# KiCad board beaglebone-ai.kicad_pcb (continued)
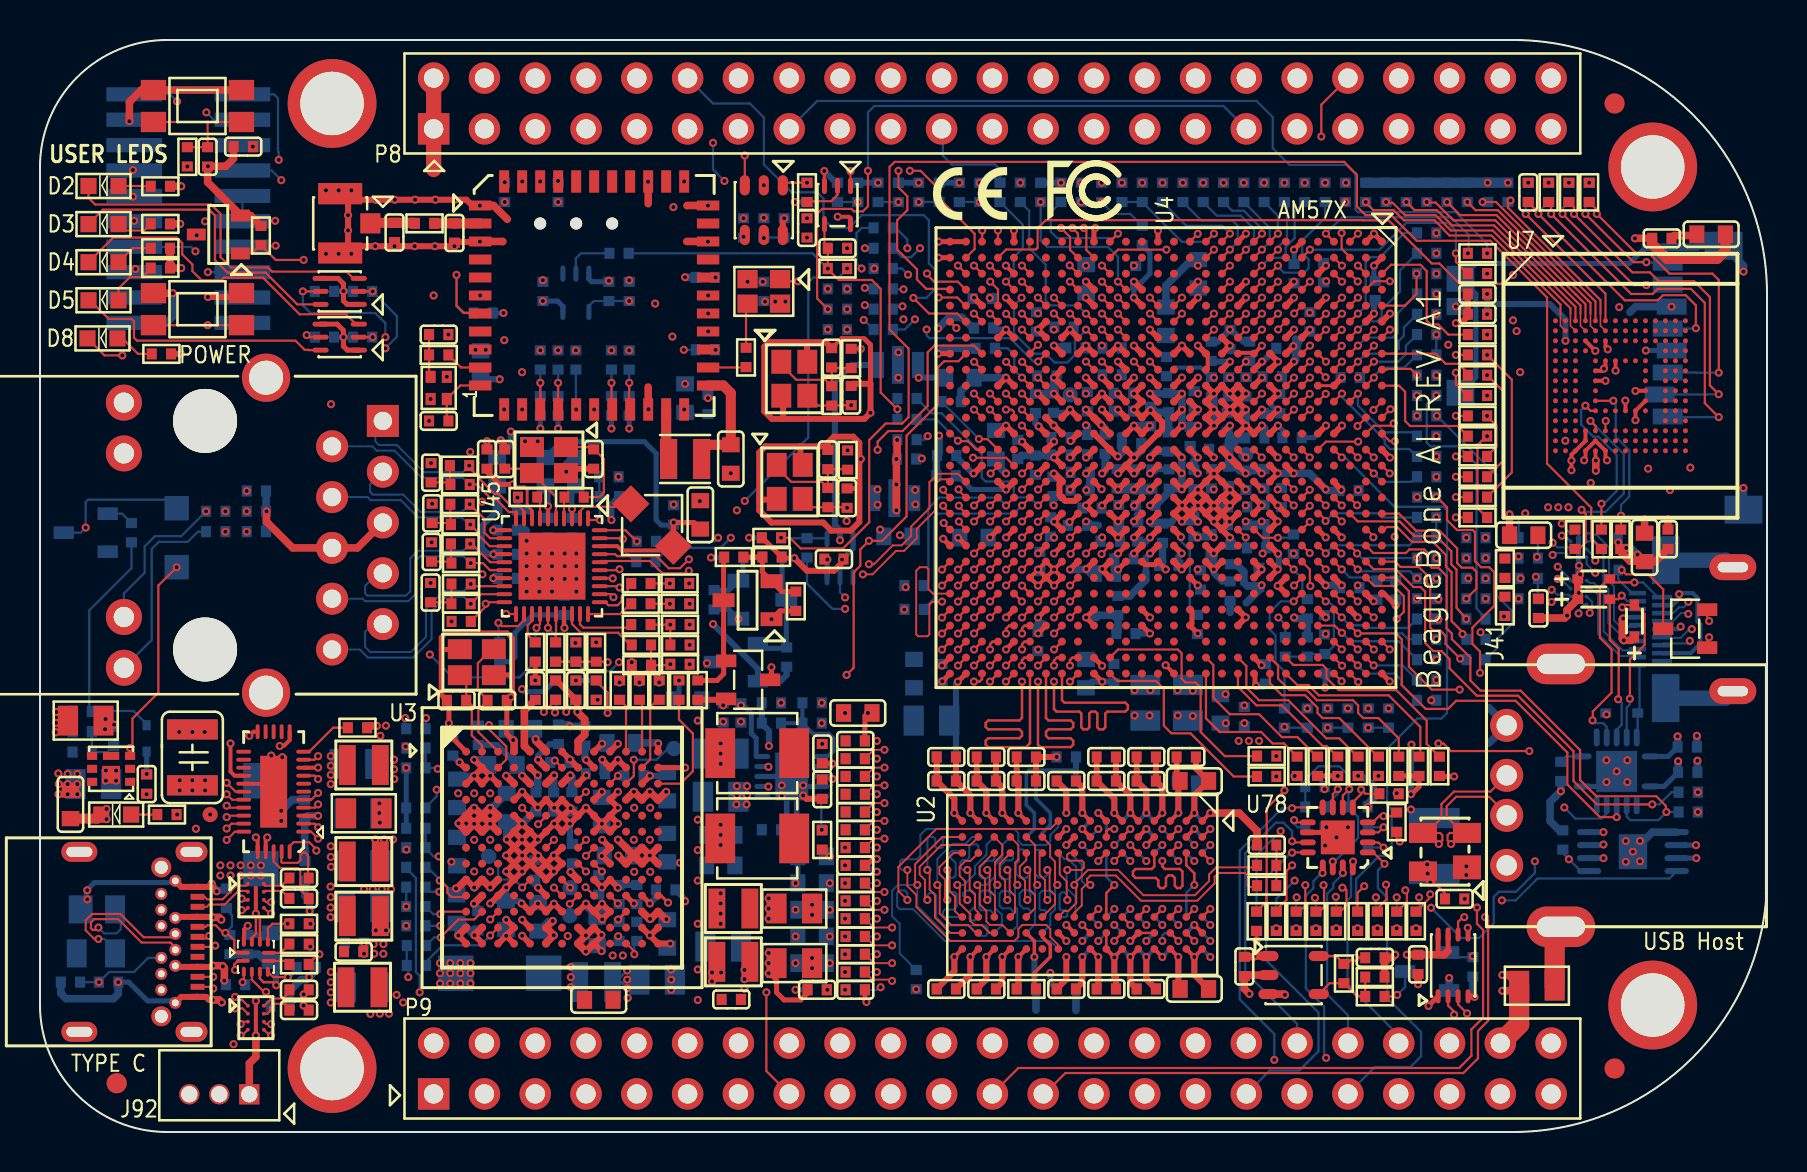
[diagram p0: board, top side]
## Routing (per net, layer and track width the routed paths; a pad name or vN(x,y) marks a point on that pad's centre or on a via; arc(x,y) is an arc through that point) (continued)
  BOTTOM w0.114: v1(29.69,18.62) 30.83,18.62 31.39,19.18 TP2.1
Net-(TP3-Pad1): length 1.2
  TOP w0.12: U3.K8 26.51,11.43 26.51,11.43 v1(26.49,11.41)
  BOTTOM w0.114: TP3.1 26.49,11.41 v1(26.49,11.41)
Net-(TP4-Pad1): length 0.6
  TOP w0.114: U4.Y11 v1(51.5,36.93)
Net-(TP7-Pad1): length 3.2
  TOP w0.12: U3.J5 v1(24.11,12.23)
  BOTTOM w0.114: v1(24.11,12.23) 23.72,12.62 22.99,12.62 22.91,12.7 22.91,13.32 22.45,13.78 TP7.1
Net-(TP8-Pad1): length 0.6
  TOP w0.114: U4.K14 v1(60.29,33.73)
Net-(TP10-Pad1): length 8.5
  TOP w0.114: U72.8 13.74,17.82 v1(13.91,17.65)
  SIG_L10 w0.102: v1(8.51,15.88) 8.51,16.48 8.76,16.74 8.76,17.96 9.02,18.21 9.8,18.21 10.36,17.65 v1(13.91,17.65)
Net-(TP11-Pad1): length 0.6
  TOP w0.12: v1(26.51,12.22) 26.51,12.22 U3.J7

## Copper pours and planes (outline as drawn; the poured copper is in the pictures)
1V8_PHY_HDMI on TOP: 50.55,33.1 50.9,33.1 51.26,32.74 51.26,31.95 51.36,31.85 51.97,31.85 52.1,31.72 52.1,31.55 51.89,31.34 51.05,31.34 50.5,31.9 50.5,33.05
1V8_PHY_HDMI on SIG_L10: 53.1,33.8 53.1,32.98 51.97,31.85 51.97,31.43 51.72,31.18 45.48,31.18 43.64,29.34 42.55,29.34 42.23,29.65 42.23,32.38 43.65,33.81 46.43,33.81 46.99,34.36 52.54,34.36
1V8_PHY_SATA on SIG_L5: 53.26,35.51 53.26,34.14 52.93,33.81 50.09,33.81 49.6,34.3 49.6,35.43 49.4,35.64 47.8,35.64 47.41,36.03 44.36,36.03 43.73,36.66 43.73,37.81 43.85,37.93 48.37,37.93 48.76,37.55 51.22,37.55
1V8_PLL on SIG_L5: 48.22,33.08 48.22,32.67 48.73,32.16 48.73,31.53 48.24,31.05 41.02,31.05 41.02,33.08
1V8_PLLA on TOP: 57.23,34.19 57.23,33.17 57.66,32.74 57.66,32.44 57.33,32.11 56.64,32.11 55.68,31.14 55.47,31.14 55.37,31.24 55.37,31.42 56.21,32.26 56.21,33.53 56.11,33.63 55.52,33.63 55.4,33.76 55.4,33.96 55.96,34.52 56.9,34.52
1V8_PLLA on BOTTOM: 55.37,33.65 55.37,33.88 55.8,34.32 56.82,34.32 57.3,33.83 57.3,32.03 57.15,31.88 56.77,31.88 55.93,31.04 55.42,31.04 55.35,31.12 55.35,31.47 55.52,31.65 55.91,31.65 56.13,31.88 56.13,32.44 56.24,32.54 56.67,32.54 56.82,32.69 56.82,33.5 56.77,33.55 55.47,33.55
1V8_PLLA on SIG_L5: 56.79,33.6 58.01,33.6 58.63,34.22 58.63,36.8 58.54,36.89 56.42,36.89 56.1,36.57 56.1,34.72 55.19,33.81 55.19,32.94 55.28,32.85 56.06,32.85 56.09,32.88 56.09,32.9
1V8_PLLA on PWR_L7: 59.07,33.77 59.07,31.99 57.72,30.65 54.29,30.65 54.06,30.87 52.54,30.87 52.31,30.65 43.85,30.65 43.47,31.03 43.47,32.32 43.65,32.5 43.62,32.52 50.79,32.52 50.99,32.73 54.19,32.73 55.21,31.71 55.94,31.71 56.65,32.42 56.65,33.87 56.76,33.97 58.86,33.97
3V3_SD on SIG_L5: 25.03,17.39 25.03,19.7 26.06,20.73 26.06,24.26 31.12,29.31 33.65,29.31 34.25,28.71 34.25,23.2 33.02,21.97 28.22,21.97 27.98,21.73 27.98,19.09 25.95,17.06 25.36,17.06
3V3_SD on PWR_L7: 77.75,47.6 77.75,44.4 75.9,42.54 54.33,42.54 52.78,41 52.78,39.22 52.68,39.12 52.04,39.12 51.82,39.34 51.82,41.33 51.21,41.94 41.96,41.94 34.32,34.29 34.32,29.21 33.63,28.52 32.77,28.52 32.36,28.93 32.36,35.15 41.14,43.93 71.39,43.93 72.24,44.78 72.24,47.57 72.85,48.18 77.17,48.18
3V3_USB on SIG_L10: 51.88,36.51 51.88,35.12 51.5,34.73 46.72,34.73 46.02,34.04 43.36,34.04 42.04,32.72 42.04,30.76 41.45,30.18 40.13,30.18 39.83,30.48 39.83,35.31 41.29,36.77 51.63,36.77
GNDPWR on TOP: 1.98,21.29 1.98,19.84 1.88,19.74 0.61,19.74 0.51,19.84 0.51,21.21 0.66,21.36 1.91,21.36
GNDPWR on GND_L2: 7.37,53.57 5.28,53.57 2.36,50.65 2.36,39.22 3.38,38.2 12.17,38.2 12.27,38.1 12.27,37.49 12.01,37.24 11.02,37.24 10.82,37.44 2.9,37.44 2.29,36.83 2.29,22.58 2.92,21.95 10.16,21.95 10.67,22.45 11.4,22.45 11.73,22.12 11.73,21.56 11.53,21.36 3.15,21.36 2.62,20.83 2.62,14.99 2.87,14.73 7.14,14.73 7.72,14.15 7.72,13.92 7.62,13.82 7.04,13.82 6.88,13.97 2.79,13.97 1.42,12.6 1.42,5.86 1.42,5.87 2.44,4.85 6.55,4.85 6.93,5.23 7.44,5.23 7.65,5.03 7.65,4.88 6.3,3.53 6.3,1.68 6.93,1.04 75.9,1.04 79.25,4.39 79.25,7.44 77.29,9.4 74.93,9.4 74.73,9.6 74.73,10.74 74.96,10.97 83.64,10.97 84.4,11.73 84.4,21.67 83.54,22.53 75.16,22.53 74.78,22.91 74.78,23.27 75.13,23.62 76.94,23.62 77.29,23.27 83.79,23.27 84.58,24.05 84.58,44.15 75.16,53.57 7.39,53.57 7.39,53.98 75.21,53.98 75.56,53.93 76.24,53.79 76.92,53.62 77.59,53.41 78.24,53.16 78.88,52.88 79.5,52.56 80.1,52.2 80.68,51.81 81.24,51.38 81.77,50.93 82.27,50.44 82.75,49.93 83.19,49.39 83.6,48.82 83.98,48.23 84.32,47.63 84.63,47 84.91,46.35 85.14,45.7 85.34,45.02 85.49,44.34 85.61,43.65 85.69,42.96 85.72,42.26 85.73,41.91 85.73,12.7 85.72,12.35 85.68,11.66 85.6,10.96 85.49,10.28 85.33,9.6 85.14,8.93 84.9,8.27 84.64,7.63 84.33,7 83.99,6.4 83.62,5.81 83.21,5.24 82.78,4.7 82.31,4.18 81.81,3.69 81.29,3.23 80.74,2.8 80.17,2.4 79.58,2.04 78.97,1.71 78.34,1.41 77.69,1.15 77.03,0.92 76.36,0.74 75.68,0.59 75.34,0.53 6.38,0.53 6.14,0.54 5.66,0.58 5.19,0.67 4.73,0.79 4.28,0.95 3.85,1.15 3.43,1.38 3.03,1.64 2.66,1.94 2.31,2.26 1.99,2.62 1.7,2.99 1.44,3.39 1.21,3.81 1.02,4.25 0.87,4.7 0.75,5.17 0.68,5.64 0.64,6.11 0.63,6.35 0.63,48.26 0.64,48.5 0.68,48.97 0.75,49.43 0.87,49.89 1.02,50.34 1.21,50.77 1.44,51.19 1.7,51.58 1.99,51.96 2.31,52.3 2.65,52.62 3.03,52.91 3.42,53.17 3.84,53.4 4.27,53.59 4.72,53.74 5.18,53.86 5.64,53.93 6.11,53.97 6.35,53.98 7.37,53.98
GNDPWR on GND_L11: 7.37,53.57 5.28,53.57 2.36,50.65 2.36,39.22 3.38,38.2 12.17,38.2 12.27,38.1 12.27,37.49 12.01,37.24 11.02,37.24 10.82,37.44 2.9,37.44 2.29,36.83 2.29,22.58 2.92,21.95 10.16,21.95 10.67,22.45 11.4,22.45 11.73,22.12 11.73,21.56 11.53,21.36 3.15,21.36 2.62,20.83 2.62,14.99 2.87,14.73 7.14,14.73 7.72,14.15 7.72,13.92 7.62,13.82 7.04,13.82 6.88,13.97 2.79,13.97 1.42,12.6 1.42,5.86 1.42,5.87 2.44,4.85 6.55,4.85 6.93,5.23 7.44,5.23 7.65,5.03 7.65,4.88 6.3,3.53 6.3,1.68 6.93,1.04 75.9,1.04 79.25,4.39 79.25,7.44 77.29,9.4 74.93,9.4 74.73,9.6 74.73,10.74 74.96,10.97 83.64,10.97 84.4,11.73 84.4,21.67 83.54,22.53 75.16,22.53 74.78,22.91 74.78,23.27 75.13,23.62 76.94,23.62 77.29,23.27 83.79,23.27 84.58,24.05 84.58,44.15 75.16,53.57 7.39,53.57 7.39,53.98 75.21,53.98 75.56,53.93 76.24,53.79 76.92,53.62 77.59,53.41 78.24,53.16 78.88,52.88 79.5,52.56 80.1,52.2 80.68,51.81 81.24,51.38 81.77,50.93 82.27,50.44 82.75,49.93 83.19,49.39 83.6,48.82 83.98,48.23 84.32,47.63 84.63,47 84.91,46.35 85.14,45.7 85.34,45.02 85.49,44.34 85.61,43.65 85.69,42.96 85.72,42.26 85.73,41.91 85.73,12.7 85.72,12.35 85.68,11.66 85.6,10.96 85.49,10.28 85.33,9.6 85.14,8.93 84.9,8.27 84.64,7.63 84.33,7 83.99,6.4 83.62,5.81 83.21,5.24 82.78,4.7 82.31,4.18 81.81,3.69 81.29,3.23 80.74,2.8 80.17,2.4 79.58,2.04 78.97,1.71 78.34,1.41 77.69,1.15 77.03,0.92 76.36,0.74 75.68,0.59 75.34,0.53 6.38,0.53 6.14,0.54 5.66,0.58 5.19,0.67 4.73,0.79 4.28,0.95 3.85,1.15 3.43,1.38 3.03,1.64 2.66,1.94 2.31,2.26 1.99,2.62 1.7,2.99 1.44,3.39 1.21,3.81 1.02,4.25 0.87,4.7 0.75,5.17 0.68,5.64 0.64,6.11 0.63,6.35 0.63,48.26 0.64,48.5 0.68,48.97 0.75,49.43 0.87,49.89 1.02,50.34 1.21,50.77 1.44,51.19 1.7,51.58 1.99,51.96 2.31,52.3 2.65,52.62 3.03,52.91 3.42,53.17 3.84,53.4 4.27,53.59 4.72,53.74 5.18,53.86 5.64,53.93 6.11,53.97 6.35,53.98 7.37,53.98
VDD_1V8 on TOP: 57.33,29.03 57.71,29.03 57.79,28.96 57.79,28.45 57.35,28.02 56.85,28.02 56.41,28.45 56.41,29.34 56.54,29.46 56.9,29.46
VDD_1V8 on TOP: 53.62,28.47 53.62,27.74 53.54,27.66 53.24,27.66 52.91,27.99 51.41,27.99 51.33,28.07 51.33,28.52 51.44,28.63 53.47,28.63
VDD_1V8 on TOP: 54.61,39.47 58.42,39.47 58.65,39.24 58.65,38.1 58.5,37.95 58.12,37.95 57.99,38.07 57.99,38.2 57.56,38.63 55.88,38.63 55.75,38.76 54.76,38.76 54.56,38.96 54.56,39.42
VDD_1V8 on BOTTOM: 50.19,31.06 50.72,31.06 51.26,31.6 52.35,31.6 52.48,31.47 52.48,31.04 52.32,30.89 51.26,30.89 51,30.63 51,30.45 50.88,30.33 50.24,30.33 50.11,30.45 50.11,30.99
VDD_1V8 on BOTTOM: 58.05,40.1 58.05,39.71 58.07,39.71 58.07,38.65 54.51,38.65 54.51,40.1 54.71,40.29 57.86,40.29
VDD_1V8 on INT_L3: 52.15,40.34 52.16,40.34 52.47,40.03 60.3,40.03 61.47,38.86 61.47,32.42 62.65,31.23 62.65,28.4 62.15,27.9 62.15,27.88 56.96,27.88 56.77,28.07 56.77,30.67 56.32,31.12 51.18,31.12 50.93,30.86 50.93,30.42 50.86,30.35 49.83,30.35 49.53,30.66 49.53,38.73 51.17,40.37 51.17,40.63 51.86,40.63
VDD_1V8 on PWR_L6: 56.3,30.29 56.3,29.65 56.73,29.22 57.19,29.22 57.57,28.84 57.57,25.36 56.06,23.85 37.71,23.85 36.8,22.95 33.21,22.95 33.07,23.09 33.07,29.67 34.37,30.96 55.63,30.96
VDD_1V8 on SIG_L8: 37.05,25.62 37.05,23.1 36.49,22.54 34.25,22.54 31.61,19.9 31.61,17.18 30.9,16.47 24.6,16.47 24.42,16.65 24.42,18.5 25.03,19.11 28.31,19.11 29.5,20.31 29.5,22.34 31.41,24.24 33.21,24.24 34.81,25.84 36.82,25.84
VDD_1V8 on SIG_L8: 71.4,28.12 72.72,28.12 73.53,27.31 73.53,25.68 72.9,25.04 71.35,25.04 70.89,25.5 70.89,26.42 69.95,27.36 69.95,27.53 69.96,27.55 69.96,27.9 69.6,28.27 68.55,28.27 67.87,27.58 63.78,27.58 62.89,26.7 61.62,26.7 60.86,27.46 60.86,28.27 61.16,28.57 62.43,28.57 62.99,29.13 67.69,29.13 68.22,29.67 69.85,29.67
VDD_3V3 on TOP: 72.87,30.02 72.87,29.26 73,29.13 73.46,29.13 73.58,29.01 73.58,28.45 73.51,28.37 72.9,28.37 72.77,28.5 72.77,28.8 72.44,29.13 72.16,29.13 71.98,29.31 71.98,29.87 72.19,30.07 72.82,30.07
VDD_3V3 on TOP: 63.83,27.89 65.28,27.89 65.46,27.71 65.46,27.36 65.3,27.2 64.03,27.2 63.78,27.46 63.78,27.84
VDD_3V3 on TOP: 54.56,42.75 55.17,42.75 55.27,42.65 55.27,41.22 55.14,41.1 54.69,41.1 54.51,41.27 54.51,42.7
VDD_3V3 on TOP: 52.15,42.77 52.7,42.77 52.86,42.62 52.86,41.25 52.78,41.17 52.27,41.17 52.1,41.35 52.1,42.72
VDD_3V3 on TOP: 63.98,31.95 63.2,32.74 62.1,32.74 61.67,32.31 61.39,32.31 61.26,32.44 61.26,32.61 61.39,32.74 61.39,33.45 61.42,33.48 62.59,33.48 63.02,33.05 65.25,33.05 65.4,32.89 65.4,32.08 65.28,31.95
VDD_3V3 on TOP: 47.52,40.26 48.69,40.26 48.79,40.16 48.79,39.52 48.69,39.42 47.5,39.42 47.42,39.5 47.42,40.16
VDD_3V3 on TOP: 62.23,42.77 62.74,42.77 62.81,42.7 62.81,41.88 62.89,41.81 64.31,41.81 64.39,41.73 64.39,41.5 64.16,41.27 63.83,41.27 63.5,41.61 63.04,41.61 62.66,41.22 62.31,41.22 62.13,41.4 62.13,42.67
VDD_3V3 on TOP: 57.35,42.77 57.96,42.77 58.06,42.67 58.06,41.3 57.86,41.1 57.43,41.1 57.23,41.3 57.23,42.65
VDD_3V3 on BOTTOM: 32.72,21.15 35.31,21.15 35.31,21.72 34.8,22.22 32.87,22.22 32.72,22.07
VDD_3V3 on BOTTOM: 28.21,8.51 30.37,8.51 30.48,8.39 30.48,6.6 30.35,6.48 28.21,6.48
VDD_3V3 on INT_L3: 51.74,48.95 65.63,48.95 66.61,47.97 66.61,47.21 66.36,46.95 65.39,46.95 65.27,46.82 65.27,42.43 64.27,41.44 52.39,41.44 50.99,42.84 50.99,48.2
VDD_3V3 on INT_L3: 70.26,29.84 70.26,27.61 70.08,27.43 68.12,27.43 66.29,29.26 64.92,29.26 64.74,29.08 64.74,28.73 65.28,28.19 66.19,28.19 66.98,27.41 66.98,26.44 66.37,25.83 66.37,24.39 66.06,24.08 63.17,24.08 62.51,24.74 62.51,27.64 62.92,28.04 62.92,29.92 63.25,30.25 65.43,30.25 65.79,30.61 69.49,30.61
VDD_3V3 on INT_L3: 35.51,19.69 30.8,14.97 28.23,14.97 27.75,15.46 27.75,18.1 28.96,19.3 31.22,19.3 34.49,22.58 35.36,22.58 35.51,22.43
VDD_3V3 on SIG_L5: 35.09,28.89 40.63,28.89 40.88,28.64 40.88,28.23 38.65,26 38.65,22.26 37.55,21.17 34.15,21.17 33.85,21.48 33.85,22.36 34.73,23.25 34.73,28.54
VDD_3V3 on SIG_L5: 50.04,41.58 50.04,40.03 49.94,39.93 47.32,39.93 47.09,40.16 47.09,41.05 46.86,41.27 46.43,41.27 46.33,41.38 46.33,41.73 46.51,41.91 49.71,41.91
VDD_3V3 on SIG_L5: 26.04,12.6 26.37,12.27 28.4,12.27 28.7,12.57 28.7,17.25 28.42,17.53 26.87,17.53 26.04,16.69
VDD_3V3 on SIG_L5: 19.08,20.17 19.08,19.53 18.64,19.1 17.35,19.1 17.06,18.81 17.06,17.23 15.7,15.88 15.7,5.69 16.38,5 23.09,5 23.55,4.55 23.55,1.04 23.34,0.84 11.61,0.84 11.56,0.89 11.56,2.9 10.57,3.89 9.27,3.89 8.86,4.29 8.86,5.51 8.13,6.25 8.13,13.72 6.55,15.29 6.55,19.79 6.77,20 6.78,19.99 12.88,19.99 13.59,20.7 18.54,20.7
VDD_3V3 on SIG_L5: 31.89,38.95 33.57,37.27 33.57,33.44 33.08,32.96 30.44,32.96 30.44,32.25 28.59,30.39 28.56,30.39 27.64,29.46 27.64,27.1 26.92,26.39 24.23,26.39 23.23,25.39 20.05,25.39 18.86,26.58 18.86,40.2 19.22,40.55 22.52,40.55 23.66,41.69 32.75,41.69 32.92,41.53 32.92,40.88 31.89,39.85
VDD_3V3 on SIG_L5: 66.85,29.84 70.21,29.84 70.51,29.54 70.51,24.97 69.98,24.43 68.63,24.43 68.07,24.99 66.65,24.99 66.27,25.37 66.27,26.67 66.08,26.86 65.14,26.86 64.92,27.08 64.92,28.78 65.18,29.03 66.04,29.03
VDD_3V3 on PWR_L6: 71.83,48.56 71.83,45.54 74.04,43.33 74.04,30.96 74.65,30.35 78.94,30.35 79.6,31.01 79.6,44.04 80.31,44.75 81.05,44.75 83.34,42.47 83.34,30.05 82.47,29.18 82.47,27.48 83.34,26.62 83.34,24.59 82.98,24.23 82.98,24.21 78.59,24.21 77.67,25.12 74.45,25.12 73.25,23.93 73.25,22.48 74.73,21.01 82.09,21.01 83.31,19.79 83.31,15.93 83.11,15.72 76.53,15.72 76.07,15.27 70.23,15.27 68.91,13.94 68.91,12.14 69.6,11.46 72.67,11.46 73.1,11.02 73.1,9.22 74.8,7.52 76.07,7.52 76.45,7.14 76.45,6.12 73.66,3.33 20.88,3.33 20.57,3.63 20.57,5.61 20.9,5.94 22.99,5.94 25.83,8.79 34.7,8.79 37.24,6.25 56.74,6.25 68.05,17.55 68.05,43.79 63.63,48.21 22.58,48.21 14.6,40.23 5.99,40.23 5.51,40.72 5.51,46.1 7.8,48.39 17.42,48.39 18.21,49.17 71.22,49.17
VDD_3V3 on PWR_L7: 83.31,41.81 83.31,29.95 81.86,28.5 71.15,28.5 69.77,29.87 65.23,29.87 64.82,30.28 64.82,35.26 58.85,41.22 54.38,41.22 54.18,41.43 54.18,41.86 54.56,42.24 82.88,42.24
VDD_3V3 on PWR_L7: 12.5,48.46 71.15,48.46 71.68,47.93 71.68,44.65 71.31,44.28 40.81,44.28 31.67,35.15 31.67,29.46 31.22,29.01 28.24,29.01 28.07,29.18 28.07,32.66 26.8,33.93 16.26,33.93 13.97,36.22 13.97,40 13.11,40.87 6.83,40.87 6.12,41.58 6.12,48.84 7.09,49.81 11.15,49.81
VDD_3V3 on SIG_L8: 42.23,33.54 42.23,29.6 40.53,27.9 40.53,8.45 39.03,6.95 32.98,6.95 31.9,8.03 31.9,19.51 34.54,22.15 36.75,22.15 37.43,22.82 37.43,25.64 35.9,27.17 26.86,27.17 24.07,29.96 24.07,32.91 25.59,34.43 41.34,34.43
VDD_3V3 on SIG_L8: 29.85,12.85 29.85,6.96 29.64,6.76 26.21,6.76 25.81,7.16 25.81,12.98 26.26,13.44 29.26,13.44
VDD_3V3 on SIG_L8: 70.92,24.99 70.92,20.65 66.93,16.66 64.31,16.66 64.01,16.97 64.01,18.87 64.59,19.46 66.4,19.46 69.29,22.35 69.29,23.06 69.16,23.19 68.4,23.19 67.11,24.49 66.52,24.49 65.53,25.48 65.53,26.49 65.79,26.75 69.16,26.75
VDD_3V3 on SIG_L8: 54.94,42.87 54.94,41.31 54.76,41.13 53.91,41.13 53.86,41.08 52.01,41.08 51.63,41.46 51.63,43.22 51.67,43.26 54.55,43.26
VDD_3V3 on SIG_L8: 26.94,25.11 26.94,22.29 26.44,21.79 23.86,21.79 21.83,19.76 20.04,19.76 18.86,18.58 18.07,18.58 17.82,18.83 17.82,19.57 18.73,20.49 18.73,20.87 18.5,21.09 17.41,21.09 16.8,20.49 16.8,15.84 16.38,15.42 13.56,15.42 13.36,15.62 13.36,16.18 11.94,17.6 10.72,17.6 9.25,19.08 9.25,19.96 9.32,20.04 12.88,20.04 13.69,20.85 13.69,22 15.1,23.41 22.14,23.41 24.47,25.74 26.3,25.74
VDD_3V3 on SIG_L10: 67.72,43.36 67.72,38.15 67.08,37.52 63.5,37.52 62.33,36.35 62.33,34.66 64.15,32.85 64.56,32.44 64.56,28.57 64.01,28.02 63.2,28.02 62.08,29.14 61.03,29.14 61.03,29.11 60.9,28.98 58.65,28.98 58.64,28.99 54.75,28.99 54.75,32.81 52.76,34.81 52.76,36.59 52.26,37.08 50.66,37.08 49.67,38.07 48.18,39.57 47.49,39.57 47.27,39.79 47.27,40.28 47.51,40.52 51.27,40.52 51.58,40.21 51.58,42.51 52.42,43.35 58.58,43.35 58.58,43.34 60.34,43.34 61.98,44.98 66.09,44.98
VDD_3V3 on SIG_L10: 32.31,27.76 32.79,27.76 34.37,29.34 37.49,29.34 37.87,28.96 37.87,24.1 35.61,21.84 35.61,20.32 35.05,19.76 32.94,19.76 32.13,20.57 32.13,27.58
VDD_3V3 on SIG_L10: 21.26,25.45 21.26,21.01 21.13,20.88 20.39,20.88 19.69,20.17 19.69,15.52 19,14.83 14.05,14.83 13.84,15.04 13.84,15.52 11.38,17.98 10.54,17.98 10.01,18.52 9.07,18.52 8.81,18.77 8.81,19.76 9.07,20.02 12.9,20.02 13.97,21.08 13.97,22.2 14.27,22.5 16.38,22.5 19.69,25.81 20.9,25.81
VDD_5V on TOP: 28,10.41 26.92,10.41 26.92,6.38 25.93,5.38 25.93,3.99 26.42,3.51 28.37,3.51 28.6,3.73 28.6,5.11 28,5.7
VDD_5V on BOTTOM: 28.32,8.83 28.32,10.1 27.05,10.1 27.05,9.02 27.24,8.83
VDD_5V on BOTTOM: 30.76,9.96 31.74,9.96 31.8,10.02 31.8,11.02 31.77,11.05 30.37,11.05 30.29,10.97 30.29,10.43
VDD_5V on BOTTOM: 22.66,16.56 20.26,16.56 20.19,16.49 20.19,14.34 20.34,14.19 21.18,14.19 21.3,14.31 21.3,15.05 21.39,15.14 22.53,15.14 22.67,15.29 22.67,15.95 23.23,16.5 23.83,16.5 24.33,17 24.33,17.6 24.53,17.8 24.53,18.97 25.28,19.72 25.28,20.51 25.15,20.64 24.43,20.64 24.34,20.55 24.34,19.58 23.77,19.01 23.47,19.01 23.35,18.89 23.35,18.14 22.85,17.63 22.85,16.75
VDD_5V on BOTTOM: 27.82,20.88 27.82,20.41 27.69,20.28 27.69,19.12 27.9,18.92 28.72,18.92 29.16,19.35 29.16,20.65 29.46,20.95 29.46,22.67 29.27,22.86 28.64,22.86 28.38,22.61 28.38,21.45
VDD_5V on BOTTOM: 22.55,12.53 20.51,12.53 20.21,12.23 20.21,11.46 20.36,11.31 21.16,11.31 21.69,11.84 22.49,11.84 22.7,12.05 22.7,12.38
VDD_5V on BOTTOM: 22.86,9.59 22.86,10.86 23.75,10.86 23.75,9.59
VDD_5V on BOTTOM: 31.83,17.19 31.83,13.3 31.61,13.09 29.65,13.09 29.59,13.15 28.77,13.15 28.71,13.21 28.71,14.74 29.41,15.44 29.41,17.17 29.57,17.33 31.69,17.33
VDD_5V on BOTTOM: 12.19,12 12.19,13.53 8.76,13.53 8.76,12
VDD_5V on PWR_L7: 83.31,19.76 83.31,13.18 82.52,12.4 74.02,12.4 73.08,11.46 73.08,9.14 74.65,7.57 74.65,4.11 73.91,3.38 29.46,3.38 27.58,1.5 26.85,1.5 24.97,3.38 18.08,3.38 15.75,5.71 8.69,5.71 8.14,6.26 8.14,13.02 10.19,15.06 15.49,15.06 19.69,10.87 31.45,10.87 32.17,10.15 32.17,6.87 32.64,6.4 35.09,6.4 35.92,5.58 58.88,5.58 59.25,5.94 59.26,5.94 59.74,6.43 59.74,8.74 60.2,9.19 60.86,9.19 62.26,10.59 62.26,15.24 62.95,15.94 71.29,15.94 72.11,16.76 72.11,18.69 73.91,20.5 82.58,20.5
VDD_5V on SIG_L10: 31.71,19.88 31.71,8.45 30.06,6.79 20.46,6.79 20.05,7.2 20.05,19.7 20.89,20.54 31.05,20.54
VDD_CAPE_5V on BOTTOM: 26.1,8.83 26.1,0.88 25.83,0.61 21.16,0.61 20.85,0.91 20.85,6.15 21.18,6.48 22.78,6.48 23.06,6.76 23.06,8.84 23.24,9.02 25.91,9.02
VDD_CORE on TOP: 54.43,39.24 54.43,38.1 54.33,38 54,38 53.34,38.66 53.34,39.32 53.49,39.47 54.2,39.47
VDD_CORE on TOP: 55.42,37.08 57.15,37.08 57.28,36.96 57.28,35.51 57.38,35.41 57.89,35.41 58.04,35.26 58.04,34.87 57.86,34.7 56.59,34.7 56.44,34.85 56.44,35.71 55.35,36.8 55.35,37.01
VDD_CORE on TOP: 55.63,35.36 55.63,35.08 55.27,34.72 54.23,34.72 54.1,34.85 54.1,35.33 54.28,35.51 55.47,35.51
VDD_CORE on TOP: 53.42,32.64 55.91,32.64 56.06,32.49 56.06,32.31 55.75,32 53.57,32 53.34,32.23 53.34,32.56
VDD_CORE on TOP: 54.79,30.28 55.98,30.28 56.13,30.12 56.13,29.82 55.91,29.59 54.71,29.59 54.58,29.72 54.58,30.07
VDD_CORE on TOP: 15.81,19.37 15.81,15.21 15.71,15.11 14.43,15.11 14.35,15.19 14.35,19.22 14.5,19.37
VDD_CORE on BOTTOM: 53.57,32.49 55.83,32.49 55.93,32.38 55.93,31.98 55.83,31.88 53.57,31.88 53.52,31.93 53.52,32.44
VDD_CORE on BOTTOM: 55.35,37.29 57.07,37.29 57.33,37.03 57.33,35.71 57.45,35.59 57.96,35.59 58.12,35.43 58.12,35.18 57.89,34.95 57.1,34.95 56.9,35.15 56.9,36.45 56.67,36.68 55.4,36.68 55.27,36.8 55.27,37.21
VDD_CORE on BOTTOM: 53.57,31.93 55.85,31.93 55.85,32.41 53.57,32.41
VDD_CORE on PWR_L7: 14.26,17.03 14.26,23.25 14.29,23.25 15.25,24.22 26.78,24.22 28.02,25.45 28.02,26.92 29.16,28.07 33.93,28.07 35.18,29.31 35.18,34.21 42.19,41.22 50.83,41.22 51.36,40.69 51.36,39.34 51.87,38.84 52.76,38.84 53.19,39.27 53.19,39.62 53.2,39.64 53.2,40.7 53.37,40.87 58.67,40.87 64.44,35.1 64.44,29.87 64.05,29.48 58.46,29.48 58.13,29.15 54.67,29.15 54.47,29.35 54.47,30.19 54.67,30.39 57.95,30.39 59.35,31.79 59.35,33.9 59.02,34.23 56.55,34.23 56.12,33.79 56.12,32.22 55.82,31.92 55.38,31.92 54.11,33.19 50.76,33.19 50.3,32.73 49.59,32.73 49.44,32.88 43.32,32.88 42.76,32.32 42.76,26.05 38.13,21.41 35.08,21.41 32.79,19.13 32.79,16.51 31.95,15.67 31.95,12.32 30.98,11.34 19.95,11.34
VDD_DDR on TOP: 37.34,12.04 37.34,7.76 36.32,7.76 36.32,9.92 36.07,10.18 35.07,10.18 35.06,10.16 34.85,10.16 34.85,11.99 34.86,11.99 35.05,12.18 37.2,12.18
VDD_DDR on TOP: 49.86,28.63 51.05,28.63 51.18,28.5 51.18,27.56 50.83,27.2 49.66,27.2 49.38,27.48 49.38,27.97 49.81,28.4 49.81,28.57
VDD_DDR on TOP: 54.69,26.44 55.5,26.44 55.65,26.29 55.65,24.69 55.5,24.54 54.76,24.54 54.61,24.69 54.61,26.37
VDD_DDR on TOP: 58.19,29.49 59.23,29.49 59.33,29.39 59.33,28.17 59.18,28.02 58.39,28.02 57.99,28.42 57.99,29.29
VDD_DDR on TOP: 62.08,29.24 62.08,28.32 62.51,27.89 62.51,26.82 62.41,26.72 61.8,26.72 61.72,26.8 61.72,27.13 61.29,27.56 61.29,29.39 61.39,29.49 61.82,29.49
VDD_DDR on TOP: 49.86,26.31 50.29,26.31 50.44,26.16 50.44,24.87 50.24,24.66 49.81,24.66 49.71,24.76 49.71,26.16
VDD_DDR on BOTTOM: 46.63,30.1 46.63,29.18 46.99,28.83 49.02,28.83 49.66,28.19 50.98,28.19 51.26,27.91 51.26,25.25 51.28,25.25 52.4,24.13 53.92,24.13 54.1,23.95 54.1,23.11 51.79,23.11 51.46,22.78 51.46,20.75 51.13,20.42 51.13,18.54 50.88,18.29 45.69,18.29 45.54,18.44 45.54,19.28 44.96,19.86 44.96,21.36 45.57,21.97 45.57,22.94 45.39,23.11 43.33,23.11 43.18,23.27 43.18,24 45.36,26.19 45.36,30.23 46.51,30.23
VDD_DDR on BOTTOM: 60.76,23.09 60.76,26.03 61.65,26.92 61.65,28.75 61.82,28.93 62.05,28.93 62.18,28.8 62.18,26.87 61.37,26.06 61.37,24.76 61.6,24.54 61.6,23.32 61.32,23.04 60.81,23.04
VDD_DDR on BOTTOM: 35.43,10.68 34.73,10.68 34.42,11 34.42,13.78 35.23,13.78 35.43,13.58 35.43,12.55 36.02,11.96 36.55,11.96 36.65,11.86 36.65,7.65 36.58,7.57 36.07,7.57 35.79,7.85 35.79,10.33
VDD_DDR on BOTTOM: 58.27,29.21 58.85,29.21 59,29.06 59,28.04 59.23,27.81 59.79,27.81 59.87,27.74 59.87,27.33 59.74,27.2 58.98,27.2 58.45,27.74 58.45,28.47 58.34,28.57 58.22,28.57 58.14,28.65 58.14,29.08
VDD_DDR on PWR_L7: 34.93,10.34 34.46,10.81 34.46,12.03 36.36,13.93 36.36,19.39 36.49,19.52 39.66,19.52 48.74,28.6 54.08,28.6 54.31,28.83 58.19,28.83 58.53,29.17 69.81,29.17 71.67,27.32 71.67,17.06 71.07,16.46 62.28,16.46 61.72,15.9 61.72,10.64 60.71,9.63 59.84,9.63 59.31,9.09 59.31,6.52 58.72,5.93 36.11,5.93 35.81,6.22 35.81,10.01 35.48,10.34
VDD_DDR on SIG_L10: 54.45,32.64 54.45,28.14 54.02,27.71 51.44,27.71 50.82,27.09 49.79,27.09 49.63,27.25 49.63,28.17 49.73,28.27 50.2,28.27 50.72,28.79 50.72,30.28 51.12,30.68 51.83,30.68 52.29,31.14 52.29,31.68 53.49,32.88 54.22,32.88
VDD_DSPEVE on TOP: 14.34,10.07 14.34,14.4 14.36,14.4 14.5,14.54 15.75,14.54 15.75,9.91 14.5,9.91
VDD_DSPEVE on TOP: 60.35,37.21 60.35,35.59 60.55,35.38 61.06,35.38 61.16,35.28 61.16,34.85 61.06,34.75 59.99,34.75 59.82,34.93 59.82,35.48 59.72,35.59 59.18,35.59 58.67,35.08 58.67,34.82 58.6,34.75 58.37,34.75 58.22,34.9 58.22,37.34 58.32,37.44 60.12,37.44
VDD_DSPEVE on BOTTOM: 60.63,36.98 60.63,35.69 60.86,35.46 61.34,35.46 61.49,35.31 61.49,34.44 61.44,34.39 60.96,34.39 60.91,34.44 60.91,34.95 60.71,35.15 60.1,35.15 59.94,35.31 59.94,35.56 59.77,35.74 59,35.74 58.9,35.64 58.9,35.23 58.83,35.15 58.5,35.15 58.27,35.38 58.27,37.06 58.32,37.11 60.5,37.11
VDD_DSPEVE on BOTTOM: 15.77,9.47 15.57,9.27 14.57,9.27 14.35,9.49 14.35,16.61 14.55,16.81 15.65,16.81 15.77,16.69
VDD_DSPEVE on PWR_L6: 55.45,34.29 55.45,39.04 54.48,40 30.12,40 21.84,31.72 21.84,15.62 16.28,10.06 8.61,10.06 8.08,10.59 8.08,19.84 8.25,20.02 12.9,20.02 13.64,20.75 13.64,38.3 23.22,47.88 63.37,47.88 67.34,43.92 67.34,34.39 66.8,33.86 55.88,33.86
VDD_EMMC on TOP: 77.04,30.99 77.04,29.92 76.96,29.84 75.84,29.84 75.72,29.72 75.72,26.54 75.46,26.29 73.91,26.29 73.66,26.54 72.97,26.54 72.97,28.02 73.1,28.14 73.91,28.14 74.3,28.52 74.3,30.48 75.31,31.5 76.53,31.5
VDD_EMMC on BOTTOM: 63.91,41.3 63.91,40.92 63.7,40.72 63.14,40.72 62.92,40.49 62.61,40.49 62.36,40.23 62.36,39.85 62.18,39.67 61.6,39.67 61.44,39.52 61.44,39.29 61.29,39.14 61.09,39.14 60.93,39.29 60.93,41.22 61.19,41.48 63.73,41.48
VDD_EMMC on SIG_L5: 73.61,47.65 73.61,47.09 73.28,46.76 73.28,43.64 72.59,42.95 69.47,42.95 69.01,42.49 66.83,42.49 66.29,43.03 65.53,43.03 65,42.49 65,41.76 64.67,41.43 64.03,41.43 63.73,41.12 63.73,40.84 63.65,40.77 63.25,40.77 63.14,40.87 63.14,42.82 64.54,44.22 67.26,44.22 68.38,45.34 70.1,45.34 71.2,46.43 71.2,47.55 71.6,47.96 73.3,47.96
VDD_EMMC on PWR_L6: 79.22,44.2 79.22,31.29 78.74,30.81 74.68,30.81 74.32,31.17 74.32,43.71 72.16,45.87 72.16,47.62 72.54,48.01 75.41,48.01
VDD_GPU on TOP: 52.17,37.9 53.29,37.9 54.31,36.88 54.31,35.81 54.2,35.71 53.98,35.71 52.1,37.59 52.1,37.82
VDD_GPU on TOP: 15.73,6.24 14.44,6.24 14.34,6.34 14.34,9.07 14.6,9.33 15.52,9.33 15.73,9.12
VDD_GPU on BOTTOM: 54.08,37.03 53.49,37.62 53.49,38.05 53.39,38.15 52.1,38.15 51.95,38.01 51.95,37.57 52.05,37.46 52.7,37.46 52.82,37.35 52.82,35.86 52.99,35.69 53.34,35.69 53.72,35.31 53.72,33.71 53.82,33.6 54.08,33.6 54.43,33.96 54.43,35.26 54.08,35.61
VDD_GPU on BOTTOM: 15.81,8.05 15.81,6.39 15.7,6.27 14.44,6.27 14.34,6.38 14.34,8.1 14.43,8.19 15.67,8.19
VDD_GPU on SIG_L5: 55.53,34.69 55.53,37.3 54.87,37.96 51.96,37.96 52.01,37.91 52.01,37.17 53.54,35.64 53.54,33.93 53.82,33.65 54.5,33.65
VDD_GPU on PWR_L6: 54.99,38.56 54.99,31.67 54.74,31.42 33.81,31.42 32.51,30.12 32.51,9.45 32.28,9.22 25.45,9.22 25.22,8.99 25.22,8.97 22.56,6.3 20.73,6.3 18.26,3.84 13.89,3.84 12.34,5.38 12.34,9.35 12.73,9.73 16.76,9.73 22.5,15.47 22.5,31.37 30.53,39.4 54.15,39.4
VDD_IVA on TOP: 54.43,30.94 54.43,29.9 54.18,29.64 53.64,29.64 53.29,30 53.29,31.01 53.37,31.09 54.28,31.09
VDD_IVA on TOP: 35.92,9.6 35.92,6.3 35.69,6.07 35.05,6.07 34.82,6.3 34.82,7.42 34.93,7.52 34.93,9.52 35.03,9.63 35.89,9.63
VDD_IVA on BOTTOM: 35.43,10.02 35.43,7.04 35.33,6.93 34.71,6.93 34.54,7.1 34.54,8.41 34.42,8.53 34.42,9.87 34.57,10.02
VDD_IVA on PWR_L7: 54.14,30.59 54.14,29.12 53.87,28.85 48.39,28.85 39.51,19.98 36.39,19.98 35.9,19.49 35.9,14.06 34.12,12.28 34.12,10.66 34.76,10.02 35.34,10.02 35.51,9.86 35.51,7.09 35.38,6.96 32.77,6.96 32.47,7.25 32.47,15.41 33.44,16.37 33.44,19.09 35.39,21.04 38.16,21.04 43.36,26.24 43.36,29.9 43.75,30.29 52.41,30.29 52.79,30.67 54.06,30.67
VDD_MPU on TOP: 38.46,13.44 36.58,13.44 36.12,13.89 36.12,15.72 35.66,16.18 34.7,16.18 34.59,16.28 34.59,17.32 34.77,17.5 35.31,17.5 35.59,17.78 35.59,19.86 35.64,19.86 35.97,20.19 38.46,20.19
VDD_MPU on TOP: 59.61,33.22 59.61,32.28 60.02,31.88 60.02,30.73 59.59,30.3 59.59,29.84 59.41,29.67 59.26,29.67 58.5,30.43 55.4,30.43 55.32,30.51 55.32,30.63 56.62,31.93 57.4,31.93 58.17,32.69 58.17,33.45 58.19,33.48 59.36,33.48
VDD_MPU on BOTTOM: 54.69,21.08 59.23,21.08 59.72,20.6 60.3,20.6 60.32,20.62 60.45,20.62 60.6,20.47 60.6,20.27 60.43,20.09 54.56,20.09 54.38,20.27 54.38,20.78
VDD_MPU on BOTTOM: 59.77,32.59 59.77,29.82 59.66,29.72 59.16,29.72 59.08,29.79 59.08,30.23 58.93,30.38 58.09,30.38 58.01,30.3 56.49,30.3 56.41,30.38 56.41,31.29 56.79,31.67 57.33,31.67 57.4,31.75 57.4,32.38 57.45,32.44 58.04,32.44 58.09,32.38 58.09,31.8 58.17,31.72 58.95,31.72 59.06,31.83 59.06,32.49 59.21,32.64 59.72,32.64
VDD_MPU on BOTTOM: 34.42,14.45 34.42,19.67 35.43,19.67 35.43,14.5 35.22,14.29 35.22,14.27 34.59,14.27
VDD_MPU on PWR_L6: 58.01,28.96 57.42,29.55 56.81,29.55 56.64,29.72 56.64,30.3 55.83,31.12 55.83,33.2 56.03,33.4 67.28,33.4 67.69,32.99 67.69,17.83 56.44,6.58 37.46,6.58 34.87,9.17 33.25,9.17 33.02,9.4 33.02,22.1 33.32,22.4 37.57,22.4 38.46,23.29 56.46,23.29 58.01,24.84
VDD_TYPEC on TOP: 4.87,18.26 4.87,17.48 4.93,17.42 5.79,17.42 5.84,17.48 5.84,17.96 5.97,18.08 8.69,18.08 8.89,17.88 8.89,16.79 8.79,16.69 2.48,16.69 2.35,16.81 2.35,18.35 2.39,18.39 4.74,18.39
VDD_TYPEC on BOTTOM: 12.19,19.02 12.19,14.03 9.94,14.03 9.69,13.78 8.01,13.78 6.91,14.88 3.91,14.88 3.05,15.75 3.05,18.16 4.37,18.16 4.6,17.93 4.6,17.48 4.83,17.25 5.74,17.25 6.17,17.68 6.17,18.44 6.81,19.08 12.14,19.08
DDR_VREFSTL on BOTTOM: 61.21,19.66 61.21,19.33 59.69,17.81 59.69,6.43 59,5.74 37.59,5.74 36.91,6.43 36.91,12.12 36.53,12.5 36.04,12.5 35.69,12.85 35.69,16.64 35.94,16.89 36.32,16.89 36.47,16.74 36.47,14.69 37.27,13.89 37.27,6.97 38.02,6.22 58.7,6.22 59.18,6.71 59.18,17.78 58.93,18.03 51.64,18.03 51.51,18.16 51.51,19.18 52.12,19.79 61.09,19.79
DDR_VREFSTL on INT_L3: 51.33,30.84 56.21,30.84 56.58,30.47 56.58,28 57.02,27.56 61.52,27.56 61.52,27.53 62.08,26.97 62.08,24.69 62.67,24.09 62.67,19.05 62.17,18.54 59.31,18.54 59.31,23.05 55.05,27.31 53.4,27.31 51.23,29.48 51.23,30.73
Earth on TOP: 3.53,16.23 3.53,15.37 3.35,15.19 1.12,15.19 0.99,15.32 0.99,16.31 1.04,16.36 3.4,16.36
Earth on TOP: 63.7,30.3 65.18,30.3 65.35,30.12 65.35,29.69 65.23,29.57 63.68,29.57 63.58,29.67 63.58,30.18
Earth on TOP: 73.56,38.76 74.65,38.76 74.93,38.48 74.93,32 73.96,31.04 73.96,29.49 73.86,29.39 73.36,29.39 73.08,29.67 73.08,31.83 73.84,32.59 73.84,37.74 73.46,38.13 73.46,38.66
Earth on TOP: 58.06,34.11 58.06,32.97 57.94,32.84 57.73,32.84 57.35,33.22 57.35,34.42 57.38,34.44 57.73,34.44
Earth on TOP: 52.37,23.04 52.37,22 52.63,21.74 55.73,21.74 55.83,21.84 55.83,22.17 55.7,22.3 53.64,22.3 52.86,23.09 52.43,23.09
Earth on TOP: 45.54,29.59 45.54,29.08 45.44,28.98 45.26,28.98 44.88,28.6 43.97,28.6 43.54,28.17 43.54,24.69 43.87,24.36 44.22,24.36 44.7,23.88 44.7,23.14 44.91,22.94 45.42,22.94 45.54,22.81 45.54,22.07 45.67,21.95 48.49,21.95 48.67,21.77 48.67,21.31 48.49,21.13 47.19,21.13 46.81,20.75 46.81,19.84 46.51,19.53 46.51,19.51 44.45,19.51 44.15,19.2 44.15,17.22 44.48,16.89 45.77,16.89 45.97,16.69 45.97,15.72 45.62,15.37 42.93,15.37 42.55,15.75 42.55,21.41 42.32,21.64 39.95,21.64 39.52,21.21 39.52,20.27 39.42,20.17 38.96,20.17 38.63,20.5 35.81,20.5 35.69,20.62 35.69,21.59 36.04,21.95 37.34,21.95 37.85,22.45 40.74,22.45 41.1,22.81 41.1,26.92 42.93,28.75 43.26,28.75 44.37,29.87 45.26,29.87
